# Altium PCB slave-14-mc33775.PcbDoc (part 3 of 5) (continued)
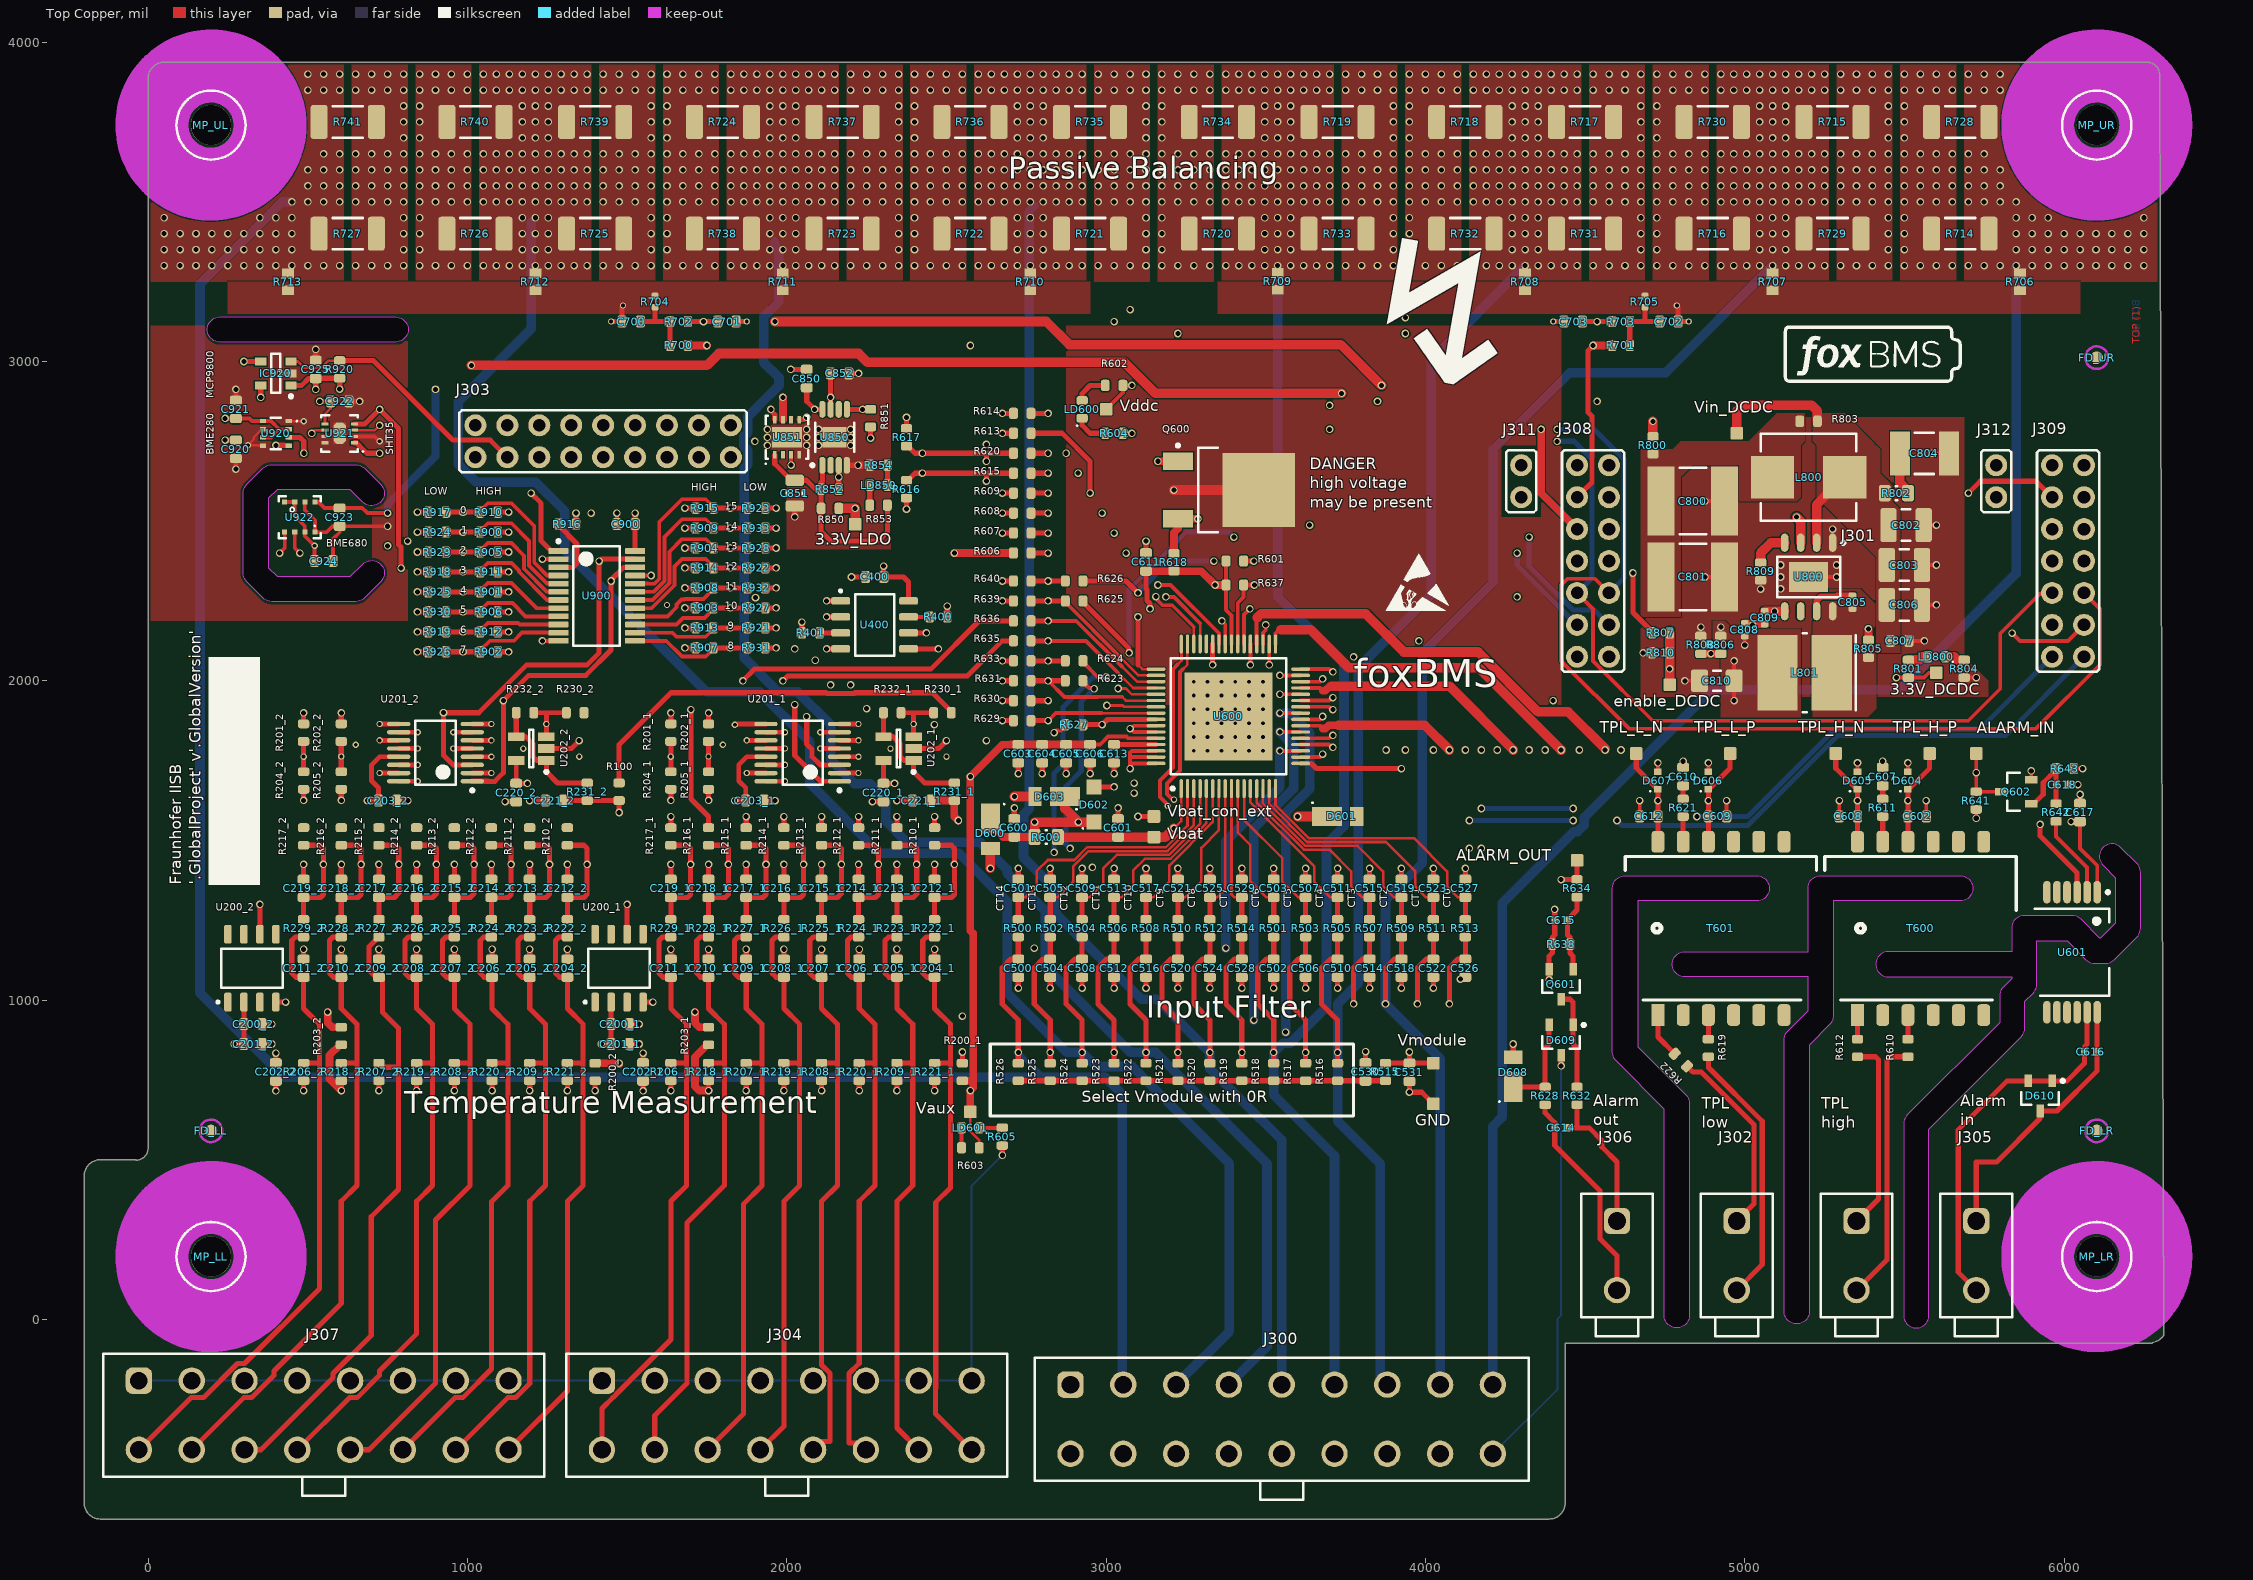
[diagram p0: Top Copper view]
## Nets (pads, with @x,y where several pads share a name; then routed paths per layer and width w, separated by ;. In a path a pad name is that pad's centre, name@x,y a point inside that pad or via, vN(x,y) a via of type N, cw(c..) or ccw(c..) an arc to the next point about the centre after c; other vN are vias at no path point) (continued)
DIGITAL-IO_6: J303.7 R912.1 R919.2 U900.10 | length 1088.9
  Top Copper w12: R912.1@1039.86,2153.25 1039.86,2157.18 1063.64,2180.96 1159.1,2180.96 1163.89,2176.18 U900.10@1284.84,2176.18
  Top Copper w16: R919.2@932.48,2153.25 v1(986.17,2153.25) R912.1@1039.86,2153.25
  Signal Layer 1 w12: v1(986.17,2153.25) 1085.36,2252.44 1142.88,2252.44 1314.15,2423.71 1314.15,2689.15 J303.7@1325,2700
DIGITAL-IO_7: J303.8 R902.1 R926.2 U900.11 | length 1267.2
  Top Copper w12: R902.1@1039.86,2090.75 1039.86,2094.68 1070.71,2125.53 1145.48,2125.53 1170.76,2150.81 1245.53,2150.81 1245.75,2150.59 U900.11@1284.84,2150.59
  Top Copper w16: R926.2@932.48,2090.75 v1(986.17,2090.75) R902.1@1039.86,2090.75
  Signal Layer 1 w12: v1(986.17,2090.75) 960.36,2116.56 960.36,2163.94 986.36,2189.94 996.86,2189.94 1110.98,2304.06 1128.75,2304.06 1209.03,2384.34 1209.03,2391.6 1269.45,2452.01 1269.45,2744.45 J303.8@1325,2800
DIGITAL-IO_8: J303.9 R907.1 R931.2 U900.13 | length 1154.7
  Top Copper w12: U900.13@1525,2125 1622.65,2125 1672.12,2075.53 1746.2,2075.53 1769.98,2099.31 R907.1@1769.98,2103.25
  Top Copper w16: R907.1@1769.98,2103.25 v1(1823.67,2103.25) R931.2@1877.36,2103.25
  Signal Layer 1 w12: J303.9@1425,2700 1425,2516.23 1600.81,2340.42 1600.81,2334.34 1681.09,2254.06 1691.6,2254.06 1823.67,2121.98 v1(1823.67,2103.25)
DIGITAL-IO_9: J303.10 R913.1 R921.2 U900.14 | length 1176.9
  Top Copper w12: U900.14@1525,2150.59 1642.07,2150.59 1654.63,2138.03 1746.2,2138.03 1769.98,2161.81 R913.1@1769.98,2165.75
  Top Copper w16: R913.1@1769.98,2165.75 v1(1823.67,2165.75) R921.2@1877.36,2165.75
  Signal Layer 1 w12: J303.10@1425,2800 1480.55,2744.45 1480.55,2548.57 1499.19,2529.93 1499.19,2498.46 1670.21,2327.44 1680.72,2327.44 1823.67,2184.48 v1(1823.67,2165.75)
DIGITAL-IO_10: J303.11 R903.1 R927.2 U900.15 U921.6 | length 2066.9
  Top Copper w8: v1(512.5,2775) 522.34,2784.84 U921.6@553.94,2784.84
  Top Copper w12: U900.15@1525,2176.18 1654.84,2176.18 1675.17,2196.51 1742.18,2196.51 1769.98,2224.31 R903.1@1769.98,2228.25
  Top Copper w16: R903.1@1769.98,2228.25 v1(1823.67,2228.25) R927.2@1877.36,2228.25
  Signal Layer 1 w12: J303.11@1525,2700 1564.55,2660.45 1564.55,2495.6 1681.09,2379.06 1691.6,2379.06 1823.67,2246.98 v1(1823.67,2228.25)
  Signal Layer 2 w12: v1(512.5,2775) 513.31,2774.19 976.47,2774.19 995.11,2755.55 1469.45,2755.55 J303.11@1525,2700
DIGITAL-IO_11: J303.12 R908.1 R932.2 U900.16 | length 1035.8
  Top Copper w12: U900.16@1525,2201.77 1626.77,2201.77 1655.09,2230.09 1655.09,2238.94 1670.21,2254.06 1679.06,2254.06 1680.96,2255.96 1739.13,2255.96 1769.98,2286.81 R908.1@1769.98,2290.75
  Top Copper w16: R908.1@1769.98,2290.75 v1(1823.67,2290.75) R932.2@1877.36,2290.75
  Signal Layer 1 w12: J303.12@1525,2800 1580.55,2744.45 1580.55,2542.1 1681.09,2441.56 1691.6,2441.56 1823.67,2309.48 v1(1823.67,2290.75)
DIGITAL-IO_12: J303.13 R914.1 R922.2 U900.17 | length 899.2
  Top Copper w12: U900.17@1525,2227.36 1577.02,2227.36 1648.81,2299.15 1648.81,2357.66 1672.12,2380.96 1746.2,2380.96 1769.98,2357.18 R914.1@1769.98,2353.25
  Top Copper w16: R914.1@1769.98,2353.25 v1(1823.67,2353.25) R922.2@1877.36,2353.25
  Signal Layer 1 w12: J303.13@1625,2700 1625,2560.15 1681.09,2504.06 1691.6,2504.06 1823.67,2371.98 v1(1823.67,2353.25)
DIGITAL-IO_13: J303.14 R904.1 R928.2 U900.18 | length 969.2
  Top Copper w12: U900.18@1525,2252.95 1579.99,2252.95 1632.81,2305.78 1632.81,2404.16 1672.12,2443.46 1746.2,2443.46 1769.98,2419.68 R904.1@1769.98,2415.75
  Top Copper w16: R904.1@1769.98,2415.75 v1(1823.67,2415.75) R928.2@1877.36,2415.75
  Signal Layer 1 w12: J303.14@1625,2800 1680.55,2744.45 1680.55,2577.6 1728.67,2529.49 1728.67,2510.75 v1(1823.67,2415.75)
DIGITAL-IO_14: J303.15 R909.1 R933.2 U900.19 | length 804
  Top Copper w12: U900.19@1525,2278.54 1582.95,2278.54 1616.81,2312.41 1616.81,2450.66 1672.12,2505.96 1746.2,2505.96 1769.98,2482.18 R909.1@1769.98,2478.25
  Top Copper w16: R909.1@1769.98,2478.25 v1(1823.67,2478.25) R933.2@1877.36,2478.25
  Signal Layer 1 w12: J303.15@1725,2700 1725,2576.92 v1(1823.67,2478.25)
DIGITAL-IO_15: J303.16 R915.1 R923.2 U900.20 | length 880.3
  Top Copper w12: U900.20@1525,2304.13 1564.09,2304.13 1564.31,2303.91 1585.69,2303.91 1600.81,2319.03 1600.81,2497.16 1672.12,2568.46 1746.2,2568.46 1769.98,2544.68 R915.1@1769.98,2540.75
  Top Copper w16: R915.1@1769.98,2540.75 v1(1823.67,2540.75) R923.2@1877.36,2540.75
  Signal Layer 1 w12: J303.16@1725,2800 1778.67,2746.33 1778.67,2585.75 v1(1823.67,2540.75)
Drive_VDDC: Q600.1 U600.42 | length 737.1
  Top Copper w12: v1(3162.5,2300) 3202.23,2300 3353.44,2148.78 U600.42@3353.44,2115.26
  Top Copper w24: v1(3162.5,2687.5) Q600.1@3225,2687.5
  Signal Layer 1 w24: v1(3162.5,2300) v1(3162.5,2687.5)
E2: R401.1 U400.3 | length 66.1
  Top Copper w16: R401.1@2102.56,2150 U400.3@2168.7,2150
Enable_DCDC: enable_DCDC.1 R807.2 R810.1 U800.3 | length 890.3
  Top Copper w30: enable_DCDC.1@4765.06,1987.5 4765.06,2011.18 R807.2@4765.06,2150 ; v1(5162.5,2512.5) 5175,2500 U800.3@5175,2432.28
  Signal Layer 1 w30: v1(4765.06,2037.5) 4765.06,2119.74 5157.82,2512.5 v1(5162.5,2512.5)
Enable_LDO: R851.1 U850.5 U851.5 | length 288.1
  Top Copper w16: U851.5@2039.27,2817.62 2053.06,2817.62 2060.44,2825 v1(2062.5,2825) ; U850.5@2188.39,2850.1 R851.1@2262.5,2850.1
  Signal Layer 1 w16: v1(2062.5,2825) 2063.96,2823.54 2074.63,2823.54 2075.98,2822.19 2209.69,2822.19 v1(2237.5,2850)
Feedback: C809.1 R806.1 R808.2 U800.5 | length 384.7
  Top Copper w24: R808.2@4862.5,2084.94 4884.22,2084.94 v1(4893.75,2084.94) R806.1@4925,2084.94
  Top Copper w30: C809.1@5062.5,2217.72 v1(5093.75,2217.72) U800.5@5125,2217.72
  Signal Layer 2 w30: v1(4893.75,2084.94) 4959.81,2151 4959.81,2159.04 5018.49,2217.72 v1(5093.75,2217.72)
GND: C200_1.1 C200_2.1 C201_1.1 C201_2.1 C202_1.1 C202_2.1 C203_1.1 C203_2.1 C204_1.1 C204_2.1 C205_1.1 C205_2.1 C206_1.1 C206_2.1 C207_1.1 C207_2.1 C208_1.1 C208_2.1 C209_1.1 C209_2.1 C210_1.1 C210_2.1 C211_1.1 C211_2.1 C212_1.1 C212_2.1 C213_1.1 C213_2.1 C214_1.1 C214_2.1 C215_1.1 C215_2.1 C216_1.1 C216_2.1 C217_1.1 C217_2.1 C218_1.1 C218_2.1 C219_1.1 C219_2.1 C220_1.1 C220_2.1 C221_1.1 C221_2.1 C400.1 C500.1 C501.1 C502.1 C503.1 C504.1 C505.1 C506.1 C507.1 C508.1 C509.1 C510.1 C511.1 C512.1 C513.1 C514.1 C515.1 C516.1 C517.1 C518.1 C519.1 C520.1 C521.1 C522.1 C523.1 C524.1 C525.1 C526.1 C527.1 C528.1 C529.1 C530.1 C531.1 C600.1 C601.1 C602.1 C603.1 C604.1 C605.1 C606.1 C607.1 C608.2 C609.1 C610.1 C611.1 C612.2 C613.1 C615.1 C617.1 C618.1 C700.1 C701.1 C702.1 C703.1 C800.1 C801.1 C802.1 C803.1 C804.1 C806.1 C807.1 C810.1 C850.1 C851.1 C852.1 C900.1 C920.1 C921.1 C922.1 C923.1 C924.1 C925.1 D602.2 D604.2 D605.2 D606.2 D607.2 D609.3 GND.1 IC920.2 J300.18 J303.17 J303.18 J304.1 J304.2 J304.3 J304.4 J304.5 J304.6 J304.7 J304.8 J307.1 J307.2 J307.3 J307.4 J307.5 J307.6 J307.7 J307.8 J308.13 J308.14 J309.13 J309.14 J311.2 J312.2 Q601.S Q602.S R204_1.1 R204_2.1 R205_1.1 R205_2.1 R604.1 R605.1 R638.2 R643.2 R704.2 R705.2 R706.2 R707.2 R708.2 R709.2 R710.2 R711.2 R712.2 R713.2 R804.1 R808.1 R809.1 R810.2 R854.1 R917.1 R918.1 R919.1 R921.1 R922.1 R923.1 R924.1 R925.1 R926.1 R927.1 R928.1 R929.1 R930.1 R931.1 R932.1 R933.1 U200_1.4 U200_2.4 U201_1.14 U201_2.14 U202_1.2 U202_2.2 U400.1 U400.2 U400.4 U600.43 U600.58 U600.59 U600.62 U600.63 U600.64 U600.65 U601.3 U800.1 U800.9 U850.4 U850.9 U851.4 U851.9 U900.2 U900.12 U900.21 U920.1 U920.5 U920.7 U921.2 U921.7 U921.8 U921.9 U922.1 U922.7 | length 12757.3
  Top Copper w8: U920.5@359.65,2736.61 345.8,2736.61 344.92,2737.5 v2(312.5,2737.5) 330.86,2755.86 330.86,2761.96 356.69,2787.8 U920.7@359.65,2787.8 ; U920.1@440.35,2813.39 454.2,2813.39 455.08,2812.5 v2(487.5,2812.5)
  Top Copper w12: U922.7@490.75,2559.74 490.75,2534.25 522.24,2502.76 U922.1@522.24,2465.26 558.6,2465.26 577.3,2483.96 C923.1@600,2483.96 ; C924.1@578.54,2375 578.54,2443.74 600,2465.19 C923.1@600,2483.96 ; U921.2@646.06,2765.16 709.84,2765.16 v2(725,2750) ; v1(750,2483.96) C923.1@600,2483.96 ; v1(1234.84,2125) U900.12@1284.84,2125 ; v1(1234.84,2380.91) U900.2@1284.84,2380.91 ; C900.1@1467.91,2490.75 v1(1467.91,2524.7) ; U900.21@1525,2329.72 v1(1575,2329.72) ; R604.1@3052.56,2775 v1(3080.45,2775) ; v1(3075,1725) 3075,1741.24 ; v1(3075,1850) v1@3076.69,1850 ; U600.64@3156.59,1741.24 3075,1741.24 ; U600.63@3156.59,1760.93 3075,1760.93 ; U600.62@3156.59,1780.61 3080.61,1780.61 3075,1775 3075,1760.93 ; U600.59@3156.59,1839.67 3087.03,1839.67 v1@3076.69,1850 ; U600.58@3156.59,1859.35 3087.5,1859.35 3078.14,1850 v1@3076.69,1850 ; C612.2@4671.06,1575 v1(4671.06,1625) ; v1(4682.05,2087.5) R810.2@4709.94,2087.5 ; D607.2@4728.15,1715.06 v1(4728.15,1742.95) ; C610.1@4807.15,1720.08 C610.1@4807.15,1728.54 v1(4807.15,1747.97) ; v1(4812.5,2000) C810.1@4858.37,2000 ; R808.1@4862.5,2140.06 v1(4862.5,2167.95) ; v1(4875,2325) C801.1@4936.91,2325 ; v1(4875,2562.5) C800.1@4936.91,2562.5 ; D606.2@4886.15,1715.06 v1(4886.15,1742.95) ; C609.1@4943.24,1575 v1(4943.24,1625) ; v1(5050,2286.78) R809.1@5050,2314.67 ; U800.9@5200,2325 v1(5287.5,2325) ; U800.1@5275,2432.28 v1(5275,2475) ; C608.2@5296.06,1575 v1(5296.06,1625) ; D605.2@5353.15,1715.06 v1(5353.15,1742.95) ; C607.1@5432.15,1720.08 C607.1@5432.15,1728.54 v1(5432.15,1747.97) ; D604.2@5511.15,1715.06 v1(5511.15,1742.95) ; C807.1@5525.59,2125 v1(5562.5,2125) ; C806.1@5555.12,2237.5 v1(5600,2237.5) ; C803.1@5555.12,2362.5 v1(5600,2362.5) ; C802.1@5555.12,2487.5 v1(5600,2487.5) ; C602.1@5568.24,1575 v1(5568.24,1625) ; v1(5587.5,2712.5) C804.1@5639.27,2712.5 ; R804.1@5687.5,2009.94 5722.44,2009.94 v1@5723.72,2011.22 ; Q602.S@5897.24,1689.86 v1(5897.24,1717.75) ; C618.1@6015.16,1675 v1(6043.05,1675) ; R643.2@6030.12,1725 v1(6058.01,1725) ; C617.1@6050,1616.04 v1(6050,1643.93) ; 3075,1741.24 3075,1760.93
  Top Copper w15: U201_2.14@784.84,1736.61 v2(844.69,1736.61) ; U201_1.14@1934.84,1736.61 v2(1994.69,1736.61)
  Top Copper w16: v1(275,2662.5) C920.1@275,2696.46 ; C921.1@275,2878.54 v1(275,2912.5) ; C201_2.1@357.09,862.5 v1@387.3,862.5 ; C200_2.1@357.09,925 v1@387.3,925 ; C202_2.1@400,803.54 v1@400,833.76 ; U200_2.4@400,993.7 v1@430.22,993.7 ; v1(413.29,2962.5) IC920.2@447.24,2962.5 ; C211_2.1@487.01,1128.54 v1@487.01,1158.76 ; C219_2.1@487.01,1390.35 v1@487.01,1424.51 ; v1@487.01,1625.79 R204_2.1@487.01,1659.94 ; C925.1@525,3003.54 v1(525,3037.5) ; C210_2.1@605,1128.54 v1@605,1158.76 ; C218_2.1@605,1390.35 v1@605,1424.51 ; v1@605,1625.79 R205_2.1@605,1659.94 ; C922.1@628.54,2875 v1(662.5,2875) ; C209_2.1@722.99,1128.54 v1@722.99,1158.76 ; C217_2.1@722.99,1390.35 v1@722.99,1424.51 ; C203_2.1@778.54,1625 v1@812.7,1625 ; C208_2.1@840.98,1128.54 v1@840.98,1158.76 ; C216_2.1@840.98,1390.35 v1@840.98,1424.51 ; v1(843.41,2090.75) R926.1@877.36,2090.75 ; v1(843.41,2153.25) R919.1@877.36,2153.25 ; v1(843.41,2215.75) R930.1@877.36,2215.75 ; v1(843.41,2278.25) R925.1@877.36,2278.25 ; v1(843.41,2340.75) R918.1@877.36,2340.75 ; v1(843.41,2403.25) R929.1@877.36,2403.25 ; v1(843.41,2465.75) R924.1@877.36,2465.75 ; v1(843.41,2528.25) R917.1@877.36,2528.25 ; C207_2.1@959.02,1128.54 v1@959.02,1158.76 ; C215_2.1@959.02,1390.35 v1@959.02,1424.51 ; C214_2.1@1075,1390.35 v1@1075,1424.51 ; C206_2.1@1077.01,1128.54 v1@1077.01,1158.76 ; v1@1118.6,1621.46 C220_2.1@1152.76,1621.46 ; C205_2.1@1195,1128.54 v1@1195,1158.76 ; C213_2.1@1195,1390.35 v1@1195,1424.51 ; v1(1195,1625) C221_2.1@1232.28,1625 ; U202_2.2@1247.24,1787.5 1325,1787.5 v1(1350,1812.5) ; v1@1312.5,1425 1312.99,1424.51 C212_2.1@1312.99,1390.35 ; C204_2.1@1312.99,1128.54 v1@1312.99,1158.76 ; v2(1450,3125) C700.1@1483.96,3125 1483.96,3171.46 v2(1487.5,3175) ; C201_1.1@1507.09,862.5 v1@1537.3,862.5 ; C200_1.1@1507.09,925 v1@1537.3,925 ; C202_1.1@1550,803.54 v1@1550,833.76 ; U200_1.4@1550,993.7 v1@1580.22,993.7 ; C211_1.1@1637.01,1128.54 v1@1637.01,1158.76 ; C219_1.1@1637.01,1390.35 v1@1637.01,1424.51 ; v1@1637.01,1625.79 R204_1.1@1637.01,1659.94 ; C210_1.1@1755,1128.54 v1@1755,1158.76 ; C218_1.1@1755,1390.35 v1@1755,1424.51 ; v1@1755,1625.79 R205_1.1@1755,1659.94 ; C701.1@1841.04,3125 v2(1875,3125) ; C209_1.1@1872.99,1128.54 v1@1872.99,1158.76 ; C217_1.1@1872.99,1390.35 v1@1872.99,1424.51 ; C203_1.1@1928.54,1625 v1@1962.7,1625 ; R931.1@1932.48,2103.25 v1(1966.44,2103.25) ; R921.1@1932.48,2165.75 v1(1966.44,2165.75) ; R927.1@1932.48,2228.25 v1(1966.44,2228.25) ; R932.1@1932.48,2290.75 v1(1966.44,2290.75) ; R922.1@1932.48,2353.25 v1(1966.44,2353.25) ; R928.1@1932.48,2415.75 v1(1966.44,2415.75) ; R933.1@1932.48,2478.25 v1(1966.44,2478.25) ; R923.1@1932.48,2540.75 v1(1966.44,2540.75) ; C208_1.1@1990.98,1128.54 v1@1990.98,1158.76 ; C216_1.1@1990.98,1390.35 v1@1990.98,1424.51 ; v1(2012.5,2975) C850.1@2062.5,2975 ; v1(2025,2513.19) C851.1@2025,2547.15 ; C207_1.1@2109.02,1128.54 v1@2109.02,1158.76 ; C215_1.1@2109.02,1390.35 v1@2109.02,1424.51 ; v1(2125,2100) U400.4@2168.7,2100 ; v1(2125,2200) U400.2@2168.7,2200 ; v1(2125,2250) U400.1@2168.7,2250 ; U850.4@2188.39,2674.9 v1(2223.33,2674.9) ; C852.1@2194.29,2962.5 v1(2225,2962.5) ; v1(2202.76,2325) C400.1@2246.46,2325 ; C214_1.1@2225,1390.35 v1@2225,1424.51 ; C206_1.1@2227.01,1128.54 v1@2227.01,1158.76 ; v1@2268.6,1621.46 C220_1.1@2302.76,1621.46 ; C205_1.1@2345,1128.54 v1@2345,1158.76 ; C213_1.1@2345,1390.35 v1@2345,1424.51 ; v1(2345,1625) C221_1.1@2382.28,1625 ; U202_1.2@2397.24,1787.5 2475,1787.5 v1(2500,1812.5) ; v1@2462.5,1425 2462.99,1424.51 C212_1.1@2462.99,1390.35 ; C204_1.1@2462.99,1128.54 v1@2462.99,1158.76 ; v1@2675,514.67 R605.1@2675,544.88 ; C600.1@2712.5,1567.72 v1(2712.5,1601.67) ; v1(2725,1037.5) C500.1@2725,1071.46 ; C501.1@2725,1378.54 v1(2725,1412.5) ; v1(2725,1709.25) C603.1@2725,1743.21 ; v1(2800,1709.25) C604.1@2800,1743.21 ; v1(2825,1037.5) C504.1@2825,1071.46 ; C505.1@2825,1378.54 v1(2825,1412.5) ; v1@2875,1719 C605.1@2875,1743.21 ; v1(2925,1037.5) C508.1@2925,1071.46 ; C509.1@2925,1378.54 v1(2925,1412.5) ; v1(2950,1709.25) C606.1@2950,1743.21 ; D602.2@2962.5,1667.62 3021.48,1667.62 3022.51,1668.65 v1@3022.51,1670.11 ; v1@3023.92,1708.71 3025,1709.79 C613.1@3025,1743.21 ; v1(3025,1037.5) C512.1@3025,1071.46 ; C513.1@3025,1378.54 v1(3025,1412.5) ; C601.1@3037.5,1567.72 v1(3037.5,1601.67) ; v1(3125,1037.5) C516.1@3125,1071.46 ; C517.1@3125,1378.54 v1(3125,1412.5) ; C611.1@3125,2400.59 v1(3125,2437.5) ; v1(3225,1037.5) C520.1@3225,1071.46 ; C521.1@3225,1378.54 v1(3225,1412.5) ; v1(3325,1037.5) C524.1@3325,1071.46 ; C525.1@3325,1378.54 v1(3325,1412.5) ; U600.43@3333.76,2115.26 3333.76,2053.74 v1@3337.5,2050 ; v1(3425,1037.5) C528.1@3425,1071.46 ; C529.1@3425,1378.54 v1(3425,1412.5) ; v1(3525,1037.5) C502.1@3525,1071.46 ; C503.1@3525,1378.54 v1(3525,1412.5) ; v1(3625,1037.5) C506.1@3625,1071.46 ; C507.1@3625,1378.54 v1(3625,1412.5) ; v1(3725,1037.5) C510.1@3725,1071.46 ; C511.1@3725,1378.54 v1(3725,1412.5) ; C530.1@3812.5,804.53 v1(3812.5,838.48) ; v1(3825,1037.5) C514.1@3825,1071.46 ; C515.1@3825,1378.54 v1(3825,1412.5) ; v1(3925,1037.5) C518.1@3925,1071.46 ; C519.1@3925,1378.54 v1(3925,1412.5) ; C531.1@3950,745.47 v1(3950,711.52) 3988.48,711.52 GND.1@4025,675 ; v1(4025,1037.5) C522.1@4025,1071.46 ; C523.1@4025,1378.54 v1(4025,1412.5) ; v1(4109.25,1065.55) 4110.71,1067.01 4120.55,1067.01 C526.1@4125,1071.46 ; C527.1@4125,1378.54 v1(4125,1412.5) ; v1(4387.6,1063.29) Q601.S@4387.6,1097.24 4387.6,1137.6 4397.44,1147.44 R638.2@4397.44,1175 4397.44,1196.72 4404.92,1204.2 C615.1@4404.92,1250 v1(4404.92,1283.96) ; v2(4400,3125) C703.1@4433.96,3125 ; v1(4425,793.8) D609.3@4425,827.76 ; v2(4787.5,3175) 4791.04,3171.46 C702.1@4791.04,3125 v2(4825,3125) ; v1(5925,1550) 5925,1514.41 6040.75,1398.66 U601.3@6040.75,1337.99
  Top Copper w24: v1(2223.33,2674.9) 2223.43,2675 R854.1@2259.94,2675
  GND w24: 4200,2675 J311.2@4300,2675 ; 5687.5,2675 J312.2@5787.5,2675
  Bot Copper w6: J307.1@-28.74,-191.73 J304.1@1421.26,-191.73 J304.2@1586.61,-191.73 J304.3@1751.97,-191.73 J304.4@1917.32,-191.73 J304.5@2082.68,-191.73 J304.6@2248.03,-191.73 J304.7@2413.39,-191.73 J304.8@2578.74,-191.73 2578.74,417.91 v1(2675,514.17) ; J300.18@4211.42,-420.77 4413.8,-218.38 4413.8,1.59 4425,12.79 v1(4425,793.8)
  other v1: 400,834.25 1550,834.25 387.8,862.5 1537.8,862.5 387.8,925 1537.8,925 430.71,993.7 1580.71,993.7 487.01,1159.25 605,1159.25 722.99,1159.25 840.98,1159.25 959.02,1159.25 1077.01,1159.25 1195,1159.25 1312.99,1159.25 1637.01,1159.25 1755,1159.25 1872.99,1159.25 1990.98,1159.25 2109.02,1159.25 2227.01,1159.25 2345,1159.25 2462.99,1159.25 487.01,1425 605,1425 722.99,1425 840.98,1425 959.02,1425 1075,1425 1195,1425 1312.99,1425 1637.01,1425 1755,1425 1872.99,1425 1990.98,1425 2109.02,1425 2225,1425 2345,1425 2462.99,1425 1118.11,1621.46 2268.11,1621.46 487.01,1625.3 605,1625.3 813.19,1625 1637.01,1625.3 1755,1625.3 1963.19,1625 3025,1667.62 2875,1709.25 3025,1709.25 5725,2009.94 3333.76,2050 5112.5,2287.5 5112.5,2325 5112.5,2362.5 5287.5,2362.5 1939.27,2737.5 2062.5,2737.5 2100,2737.5 2200,2737.5 1939.27,2762.5 2062.5,2762.5 2100,2762.5 2200,2762.5 1939.27,2787.5 2062.5,2787.5 2100,2787.5 2200,2787.5
  other v2: 3274.7,1780.61 3318.01,1780.61 3361.32,1780.61 3404.63,1780.61 3447.93,1780.61 3491.24,1780.61 3274.7,1823.92 3318.01,1823.92 3361.32,1823.92 3404.63,1823.92 3447.93,1823.92 3491.24,1823.92 3274.7,1867.22 3318.01,1867.22 3361.32,1867.22 3404.63,1867.22 3447.93,1867.22 3491.24,1867.22 3274.7,1910.53 3318.01,1910.53 3361.32,1910.53 3404.63,1910.53 3447.93,1910.53 3491.24,1910.53 3274.7,1953.84 3318.01,1953.84 3361.32,1953.84 3404.63,1953.84 3447.93,1953.84 3491.24,1953.84 3274.7,1997.15 3318.01,1997.15 3361.32,1997.15 3404.63,1997.15 3447.93,1997.15 3491.24,1997.15
Gnd2_unused: U601.8
Gnd22_unused: U601.7
GPIO0: R606.2 R629.2 U600.56 | length 1324.8
  Top Copper w8: 2986.22,1898.72 U600.56@3156.59,1898.72
  Top Copper w12: v1(2818.75,1875) 2842.47,1898.72 2986.22,1898.72
  Top Copper w16: R629.2@2765.06,1875 v1(2818.75,1875) ; R606.2@2765.06,2400 v1(2818.75,2400)
  Signal Layer 1 w16: v1(2818.75,1875) 3062.5,2118.75 v1(3062.5,2400)
  Signal Layer 2 w16: v1(2818.75,2400) v1(3062.5,2400)
GPIO1: R607.2 R630.2 U600.55 | length 1269.8
  Top Copper w8: v1(3002.34,1922.53) 3052.47,1922.53 3056.59,1918.41 U600.55@3156.59,1918.41
  Top Copper w16: R630.2@2765.06,1937.5 v1(2818.75,1937.5) ; R607.2@2765.06,2462.5 v1(2818.75,2462.5)
  Signal Layer 1 w16: v1(2818.75,1937.5) 3025,2143.75 v1(3025,2462.5)
  Signal Layer 2 w12: v1(2818.75,1937.5) 2833.72,1922.53 v1(3002.34,1922.53)
  Signal Layer 2 w16: v1(2818.75,2462.5) v1(3025,2462.5)
GPIO2: R608.2 R623.2 R631.2 U600.54 | length 1288.9
  Top Copper w8: 3050,1950 3061.91,1938.09 U600.54@3156.59,1938.09
  Top Copper w12: v1(2818.75,2000) 2869.56,1949.19 2973.19,1949.19 2974,1950 3050,1950
  Top Copper w16: R631.2@2765.06,2000 v1(2818.75,2000) R623.2@2872.44,2000 ; R608.2@2765.06,2525 v1(2818.75,2525)
  Signal Layer 1 w16: v1(2818.75,2000) 2987.5,2168.75 v1(2987.5,2525)
  Signal Layer 2 w16: v1(2818.75,2525) v1(2987.5,2525)
GPIO2_ext: J308.1 J309.1 R623.1 | length 5617.2
  Top Copper w12: R623.1@2927.56,2000 2927.56,1996.06 2946.69,1976.93 2960.57,1976.93 v1(2962.5,1975)
  Signal Layer 1 w16: v1(4137.5,1475) v1(4137.5,1562.5)
  Signal Layer 2 w12: J308.1@4575,2075 4658.05,2075 4671.36,2061.69 4747.47,2061.69 4749.09,2063.31 4824.68,2063.31 4828.86,2059.13 4904.44,2059.13 4933.62,2088.31 4987.06,2088.31 4989.31,2086.06 5560.07,2086.06 5593.45,2119.45 6018.05,2119.45 J309.1@6062.5,2075
  Signal Layer 2 w16: v1(2887.5,1475) v1(4137.5,1475) ; v1(4462.5,1562.5) v1(4600,1562.5)
  Bot Copper w16: v1(2887.5,1475) 2875,1487.5 2875,1669.92 2922.19,1717.11 2922.19,1934.69 v1(2962.5,1975) ; v1(4137.5,1562.5) v1(4462.5,1562.5) ; v1(4600,1562.5) 4615.31,1547.19 5009.69,1547.19 5290.72,1828.22 5815.72,1828.22 J309.1@6062.5,2075
GPIO3: R613.2 R624.2 R633.2 U600.53 | length 1389.2
  Top Copper w8: v1(3037.5,1975.81) 3061.69,1975.81 3079.72,1957.78 U600.53@3156.59,1957.78
  Top Copper w16: R633.2@2765.06,2062.5 v1(2818.75,2062.5) R624.2@2872.44,2062.5 ; R613.2@2765.06,2775 2862.5,2775 2950,2687.5 v1(2950,2587.5)
  Signal Layer 1 w16: v1(2818.75,2062.5) 2950,2193.75 v1(2950,2587.5)
  Signal Layer 2 w12: v1(2818.75,2062.5) 2868.75,2012.5 2961.5,2012.5 2998.19,1975.81 v1(3037.5,1975.81)
GPIO3_ext: J308.2 J309.2 R624.1 | length 5796.7
  Top Copper w12: R624.1@2927.56,2062.5 2927.56,2058.56 2973.62,2012.5 v1(3000,2012.5)
  Signal Layer 1 w16: v1(4175,1475) v1(4175,1600)
  Signal Layer 2 w12: J308.2@4475,2075 4538.31,2011.69 4775.75,2011.69 4789.87,2025.81 4967.97,2025.81 5009.65,1984.13 5485.69,1984.13 5576.56,2075 J309.2@5962.5,2075
  Signal Layer 2 w16: v1(2837.5,1462.5) 2852.81,1447.19 4149.02,1447.19 4175,1473.17 v1(4175,1475) ; v1(4462.5,1600) 4643.75,1600 4668.75,1575 v1(4850,1575)
  Bot Copper w16: v1(2837.5,1462.5) 2837.5,1711.08 2865.31,1738.89 2865.31,1917.14 2960.67,2012.5 v1(3000,2012.5) ; v1(4175,1600) v1(4462.5,1600) ; v1(4850,1575) 5009.22,1575 5282.43,1848.22 5735.72,1848.22 J309.2@5962.5,2075
GPIO4: R615.2 R635.2 U600.52 | length 1163.9
  Top Copper w8: 3037.5,2025 3085.04,1977.46 U600.52@3156.59,1977.46
  Top Copper w12: v1(2818.75,2125) 2937.5,2125 3037.5,2025
  Top Copper w16: R635.2@2765.06,2125 v1(2818.75,2125) ; R615.2@2765.06,2650 v1(2818.75,2650)
  Signal Layer 1 w16: v1(2818.75,2125) 2912.5,2218.75 v1(2912.5,2650)
  Signal Layer 2 w16: v1(2818.75,2650) v1(2912.5,2650)
GPIO5: R620.2 R636.2 U600.51 | length 1128.6
  Top Copper w8: 3050,2044.16 3097.02,1997.15 U600.51@3156.59,1997.15
  Top Copper w12: v1(2818.75,2187.5) 2906.66,2187.5 3050,2044.16
  Top Copper w16: R636.2@2765.06,2187.5 v1(2818.75,2187.5) ; R620.2@2765.06,2712.5 v1(2818.75,2712.5)
  Signal Layer 1 w16: v1(2818.75,2187.5) 2875,2243.75 v1(2875,2712.5)
  Signal Layer 2 w16: v1(2818.75,2712.5) v1(2875,2712.5)
GPIO6: R609.2 R625.2 R639.2 U600.50 | length 904.7
  Top Copper w8: 3043.5,2075 3101.67,2016.83 U600.50@3156.59,2016.83
  Top Copper w12: R625.2@2872.44,2250 2872.44,2246.06 3043.5,2075
  Top Copper w16: R639.2@2765.06,2250 R625.2@2872.44,2250 ; R609.2@2765.06,2587.5 v1(2818.75,2587.5)
  Signal Layer 1 w16: v1(2818.75,2250) 2790.94,2277.81 2790.94,2559.69 v1(2818.75,2587.5)
GPIO6_ext: J308.3 J309.3 R625.1 | length 3757.4
  Top Copper w12: v1(5837.5,2149.19) 5861.69,2125 6012.5,2125 J309.3@6062.5,2175
  Top Copper w16: R625.1@2927.56,2250 2927.56,2246.06 3070.73,2102.89 3070.73,2088.96 v1(3072.19,2087.5)
  Signal Layer 2 w12: J308.3@4575,2175 4833.05,2175 4901.58,2243.53 5342.97,2243.53 5435.69,2150.81 5835.88,2150.81 v1(5837.5,2149.19)
  Signal Layer 2 w16: v1(3400,2450) v1(4325,2450)
  Bot Copper w16: v1(3072.19,2087.5) 3072.19,2286.52 3250.98,2465.31 3384.69,2465.31 v1(3400,2450) ; v1(4325,2450) 4325,2359.31 4462.86,2221.45 4528.55,2221.45 J308.3@4575,2175
GPIO7: R614.2 R626.2 R640.2 U600.49 | length 1249.1
  Top Copper w8: 3100,2050 3113.48,2036.52 U600.49@3156.59,2036.52
  Top Copper w16: R640.2@2765.06,2312.5 v1(2818.75,2312.5) R626.2@2872.44,2312.5 ; R614.2@2765.06,2837.5 v1(2818.75,2837.5) ; 3100,2050 v1(3100,2200)
  Signal Layer 1 w16: v1(2818.75,2312.5) 2818.75,2360.67 2846.56,2388.48 2846.56,2809.69 v1(2818.75,2837.5)
  Signal Layer 2 w16: v1(2818.75,2312.5) 2987.5,2312.5 v1(3100,2200)
GPIO7_ext: J308.4 J309.4 R626.1 | length 3290.8
  Top Copper w16: R626.1@2927.56,2312.5 3062.5,2312.5 v1(3100,2275)
  Signal Layer 2 w12: J308.4@4475,2175 4530.55,2230.55 4865.97,2230.55 4894.95,2259.53 5378.76,2259.53 5463.29,2175 J309.4@5962.5,2175
  Signal Layer 2 w16: v1(3337.5,2375) 3365.31,2402.81 4282.63,2402.81 4285.44,2400 v1(4287.5,2400)
  Bot Copper w16: v1(3100,2275) 3100,2276.83 3198.17,2375 v1(3337.5,2375) ; v1(4287.5,2400) 4287.5,2362.5 J308.4@4475,2175
I2C.SCL: IC920.4 J308.5 J309.5 R615.1 R616.1 U201_1.1 U201_2.1 U400.6 U900.22 U920.4 U921.4 U922.4 | length 11567.5
  Top Copper w12: v1(412.01,2400) 427.76,2415.75 U922.4@427.76,2465.26 ; J308.5@4575,2275 4530.55,2319.45 4444.45,2319.45 4425,2300 4425,2062.14 4637.14,1850 5912.5,1850 6112.5,2050 6112.5,2225 J309.5@6062.5,2275
  Top Copper w15: 2105.32,1685.43 U201_1.1@2165.16,1685.43
  Top Copper w16: v1(300,2999.9) 300.1,2999.9 IC920.4@352.76,2999.9 ; v1(400,2737.5) 425.63,2737.5 426.51,2736.61 U920.4@440.35,2736.61 ; U921.4@646.06,2804.53 679.53,2804.53 v1(725,2850) 784.69,2790.31 784.69,2425.98 792.13,2418.54 v1(792.13,2352.69) ; U201_2.1@1015.16,1685.43 1064.04,1685.43 1064.3,1685.18 1085.7,1685.18 1112.5,1711.98 v1(1112.5,1937.5) 1192.11,2017.11 1370.39,2017.11 1450,2096.72 v1(1450,2312.5) 1451.46,2313.96 1451.46,2317.27 1489.5,2355.31 U900.22@1525,2355.31 ; v1(2025,1925) 2025,1765.75 2105.32,1685.43 ; R616.1@2375,2627.56 2378.94,2627.56 2401.38,2650 v1(2425,2650) 2625,2650 ; U400.6@2381.3,2150 v1(2437.5,2150) ; v1(2625,2625) 2625,2650 ; R615.1@2709.94,2650 2625,2650
  Signal Layer 1 w16: v1@300,3000 300,2926.83 322.19,2904.64 322.19,2815.31 v1(400,2737.5) ; v1(2025,1925) v1(2025,2100) ; v1(2425,2650) 2425,2162.5 v1(2437.5,2150) ; v1(2625,2625) 2652.81,2652.81 2652.81,2722.19 2634.69,2740.31 v1(2625,2740.31)
  Signal Layer 2 w16: v1(400,2737.5) 400,2761.55 476.8,2838.34 665.17,2838.34 676.83,2850 v1(725,2850) ; v1(412.01,2400) 439.82,2372.19 586.56,2372.19 614.37,2400 733.34,2400 738.48,2394.86 749.96,2394.86 v1(792.13,2352.69) 832.32,2312.5 v1(1450,2312.5) ; v1(1112.5,1937.5) 1756.54,1937.5 1769.04,1925 v1(2025,1925) ; v1(2025,2100) 2075,2150 v1(2437.5,2150) ; v1(2625,2740.31) 3147.7,2740.31 3157.39,2750 4362.5,2750 4372.19,2759.69 4374.02,2759.69 4401.83,2787.5 v1(4412.5,2787.5)
  Bot Copper w16: v1(4412.5,2787.5) 4528.19,2787.5 4621.45,2694.24 4621.45,2321.45 J308.5@4575,2275